# Allegro board 1103400-C000PC024-HI3521DV200-CORE-A01-pcb166.brd (continued)
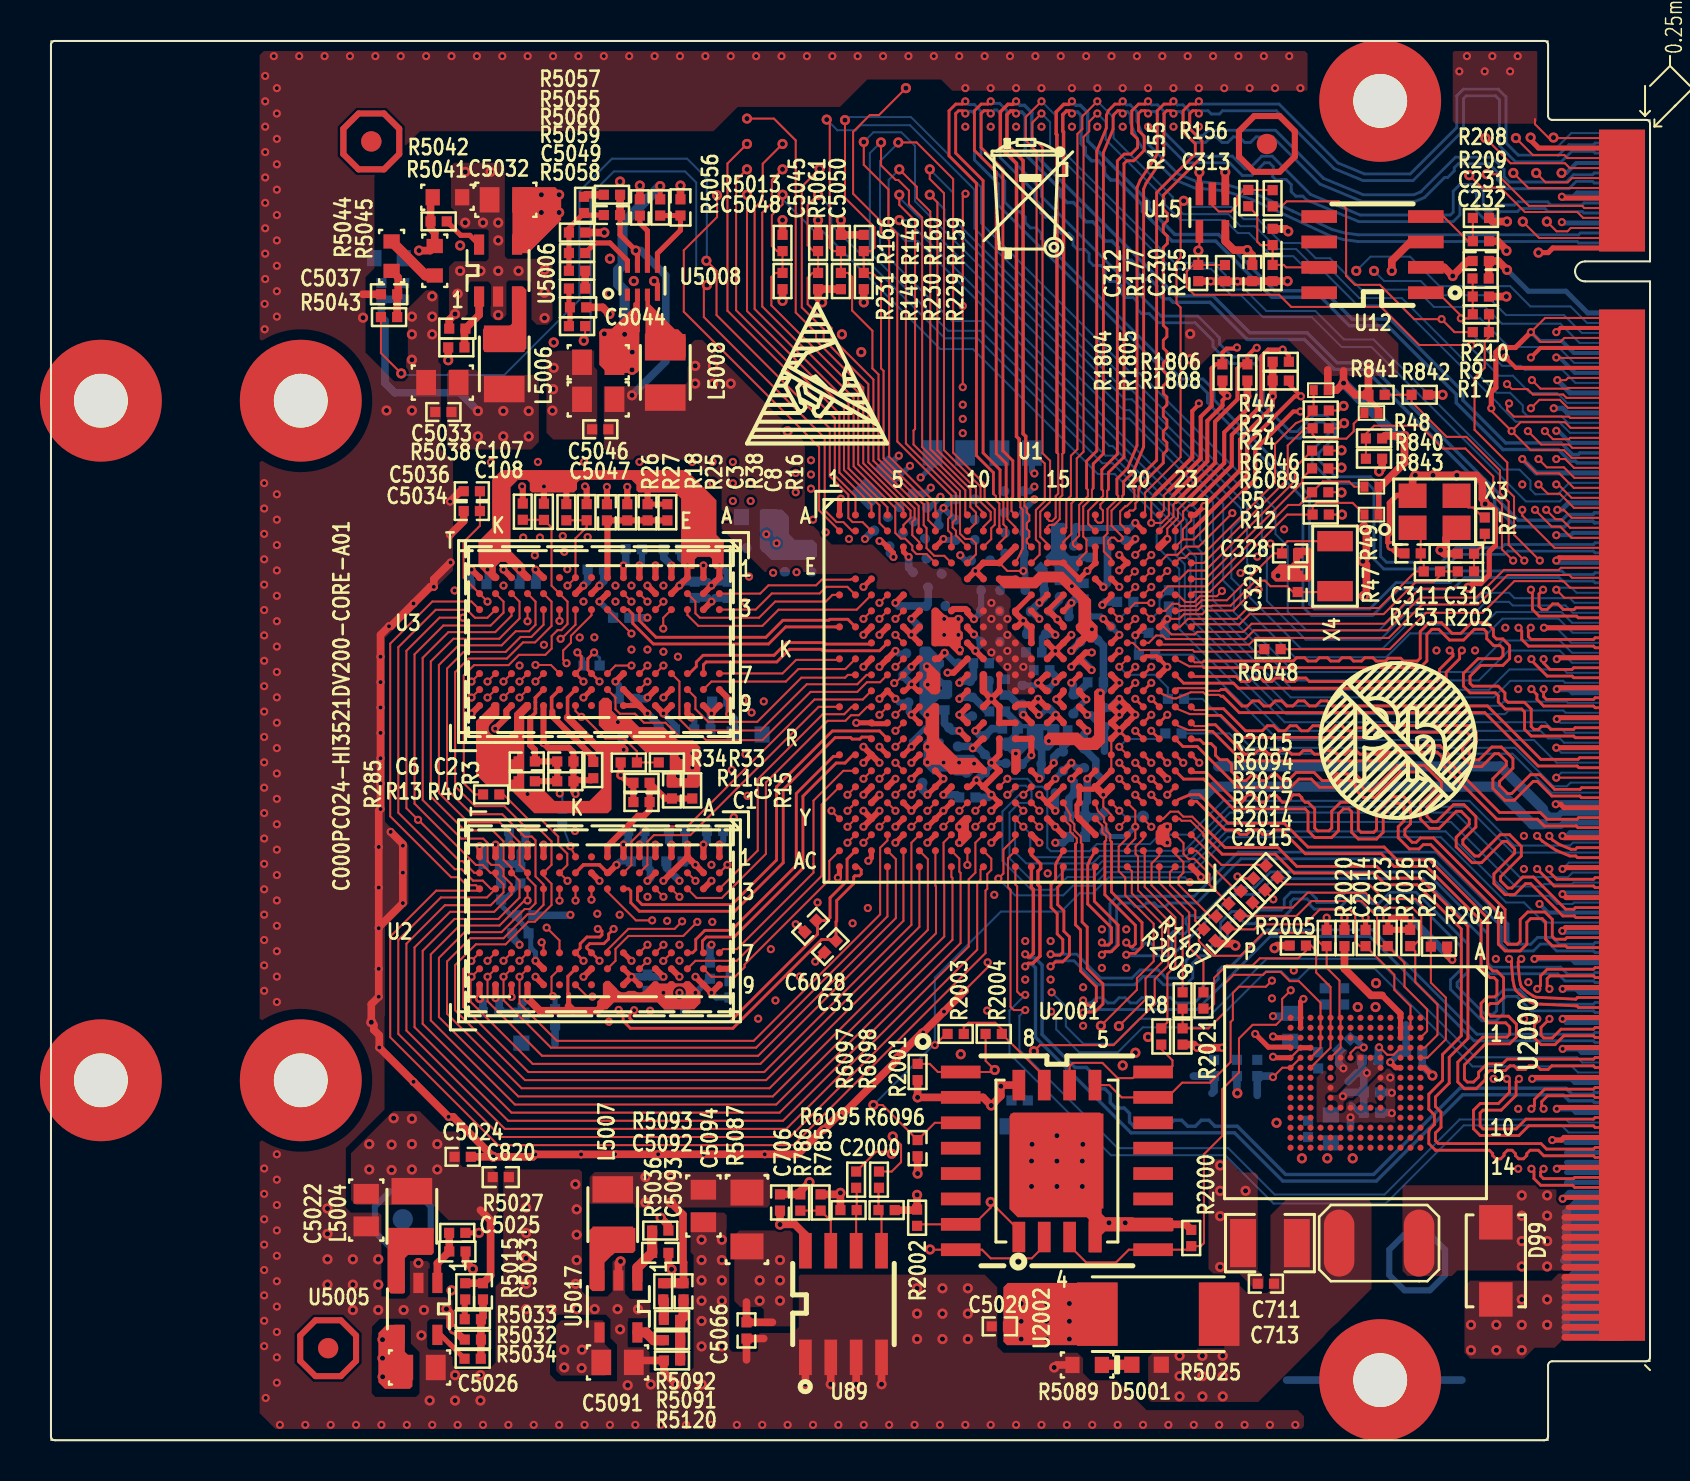
[diagram p0: board, top side]
## Copper pours and planes (outline as drawn; the poured copper is in the pictures) (continued)
GND on GND02: 73.84,0.57 11.23,0.57 10.44,1.36 10.44,69.3 10.64,69.5 74.39,69.5 74.39,66.26 74.6,65.76 75.1,65.55 79.46,65.55 79.5,65.52 79.5,4.53 79.43,4.45 74.62,4.45 74.22,4.05 74.22,0.95
GND on ART03: 10.44,1.36 10.44,69.3 10.63,69.49 62.66,69.49 62.81,69.34 62.81,66.15 62.18,65.52 45.64,65.52 43.08,68.08 36.09,68.08 32.97,64.96 32.97,61.2 33.5,60.66 33.5,57.26 33.45,57.21 28.88,57.21 27.08,55.41 27.08,53.25 26.21,52.38 20.5,52.38 20.12,52 20.12,47.68 22.15,45.65 26.67,45.65 27.03,45.3 27.03,45.06 26.29,44.33 26.29,44.33 26.01,44.05 26.01,43.37 25.91,43.27 25.7,43.27 23.82,41.39 23.67,41.39 23.42,41.13 23.42,40.7 23.62,40.5 23.62,38.59 23.39,38.36 20.73,38.36 19.81,37.45 19.81,33.64 17.8,31.63 17.8,24.88 20.12,22.56 20.12,20.89 25.3,15.71 35.2,15.71 45.92,26.42 45.92,26.88 46.03,26.99 46.03,29.2 47.27,30.44 47.27,30.95 47.14,31.07 46.76,31.07 46.66,31.17 46.66,31.73 46.56,31.84 45.24,31.84 44.98,31.58 44.98,31.45 44.73,31.2 43.71,31.2 42.32,32.6 42.32,41.11 42.03,41.39 42.03,41.41 41.96,41.48 41.96,41.94 42.08,42.07 42.36,42.07 43.23,41.2 43.23,33.94 43.25,33.92 43.25,33.84 43.25,33.83 43.25,33.73 43.68,33.3 46.37,33.3 46.71,33.64 46.71,34.19 46.51,34.38 44.74,34.38 44.39,34.73 44.39,39.32 44.47,39.4 44.47,39.51 44.57,39.6 44.68,39.6 45.21,39.07 45.73,39.07 46.05,39.39 46.05,43.7 46.13,43.77 46.51,43.77 46.63,43.65 46.63,38.74 47.16,38.22 49.49,38.22 49.96,38.69 49.96,39.56 49.94,39.58 49.94,39.84 50.11,40.01 50.14,40 50.56,40.22 50.28,40.61 50.22,40.64 50.19,40.71 50.19,41.31 50.24,41.36 50.57,41.36 51.33,40.6 51.33,40.34 50.67,39.68 50.67,39.26 51,38.94 51.17,38.94 51.29,38.82 51.29,38.58 50.86,38.15 50.79,38.08 50.73,37.93 50.74,37.83 50.75,37.79 50.75,36.07 50.75,36.07 50.75,35.88 50.52,35.65 48.37,35.65 47.89,35.17 47.89,34.11 48.67,33.33 48.67,30.69 48.03,30.06 48.03,21.29 41.76,15.02 41.76,12.15 39.85,10.25 35.79,10.25 35.33,10.7 35.33,13.01 34.65,13.7 29.26,13.7 29.01,13.45 29.01,3.46 29.46,3.01 56.72,3.01 64.82,11.11 64.82,18.17 65.13,18.47 69.21,18.47 69.98,17.71 69.98,17.13 74.07,13.04 74.93,13.04 75.18,13.29 75.18,27.9 75.46,28.18 75.46,31.33 75.18,31.61 75.18,33.46 76.07,34.35 76.07,42.25 74.57,43.75 74.57,45.42 75.18,46.03 75.18,50.89 74.8,51.27 74.83,51.29 74.83,54.67 75.16,55 75.36,55 75.64,55.28 75.64,56.07 73.52,58.19 72.71,58.19 72.59,58.3 72.59,58.81 72.72,58.94 73.41,58.94 75.18,60.71 75.18,65.67 75.41,65.9 79.91,65.9 79.91,9.15 75.41,4.66 75.26,4.66 75.23,4.63 74.5,4.63 73.13,3.26 70.51,3.26 67.82,0.57 11.23,0.57
GND on ART04: 74.5,4.63 73.13,3.26 70.51,3.26 67.82,0.57 11.23,0.57 10.44,1.36 10.44,69.25 10.68,69.49 62.66,69.49 62.81,69.34 62.81,68.97 62.64,68.79 12.24,68.79 11.91,68.46 11.91,58 16.38,53.53 16.38,52.16 16.94,51.6 16.94,43.75 14.93,41.74 14.93,22.34 16.65,20.62 16.65,16.81 16.66,16.8 16.66,16.65 15.34,15.33 15.34,10.45 14.88,9.99 13.31,9.99 12.75,9.43 12.75,1.76 13.13,1.38 59.18,1.38 68.48,10.68 74.83,10.68 75.18,11.03 75.18,36.81 75.25,36.88 75.18,36.94 75.18,50.89 74.7,51.37 74.7,53.32 74.75,53.37 74.7,53.43 74.7,56.45 72.59,58.56 72.59,58.81 72.72,58.94 73.41,58.94 75.18,60.71 75.18,65.29 75.72,65.82 79.15,65.82 79.88,65.08 79.88,9.13 75.41,4.66 75.26,4.66 75.23,4.63
GND on GND05: 73.84,0.57 11.23,0.57 10.44,1.36 10.44,69.3 10.79,69.66 74.19,69.66 74.39,69.45 74.39,66.26 74.6,65.76 75.1,65.55 75.67,65.55 75.67,65.54 79.4,65.54 79.5,65.44 79.5,4.61 79.35,4.45 74.62,4.45 74.19,4.02 74.19,0.92
VCCQ_EMMC on BOTTOM: 61.37,19.01 62.84,19.01 62.92,19.08 63.65,19.08 63.75,19.19 63.75,19.49 65,20.74 65.4,20.74 66.06,20.07 68.27,20.07 68.38,20.18 68.38,21.22 67.23,22.36 65.43,22.36 65.13,22.06 63.42,22.06 63.25,21.88 63.25,21.37 62.41,20.53 61.11,20.53 60.43,19.85 57.12,19.85 57.07,19.8 57.07,19.36 57.75,18.69 61.05,18.69
VCCQ_EMMC on ART03: 65.35,18.68 68.38,18.68 68.5,18.8 68.5,20.63 67.08,22.06 67.08,26.63 66.9,26.81 63.32,26.81 63.32,20.71
VDDIO_DDR on TOP (solid shape): 43.95,38.89 44.49,38.34 44.49,37.47 44.35,37.32 44.06,37.32 43.65,37.73 43.65,37.96 43.81,38.13 43.81,38.41 43.65,38.58 43.65,38.79 43.75,38.89 43.9,38.89
VDDIO_DDR on TOP (solid shape): 44.44,36.79 44.44,35.78 44.44,35.78 44.44,35.08 45.37,34.15 46.28,34.15 46.84,33.59 46.84,33.38 46.78,33.32 46.57,33.32 46.51,33.38 46.01,33.38 45.95,33.32 44.99,33.32 44.51,33.8 44.05,33.8 43.94,33.7 43.77,33.7 43.64,33.83 43.64,34.05 43.79,34.19 43.79,34.41 43.64,34.55 43.64,34.8 43.82,34.98 43.82,35.24 43.67,35.39 43.67,35.62 43.76,35.71 43.76,36.11 43.68,36.19 43.68,36.43 44.12,36.87 44.35,36.87
VDDIO_DDR on TOP (solid shape): 28.07,36.96 28.07,36.5 28.44,36.12 28.99,36.12 29.43,35.68 30.66,35.68 31.01,35.33 31.07,35.33 31.36,35.03 32.13,35.03 32.49,34.67 32.49,32.76 32.38,32.65 30.89,32.65 30.8,32.75 30.8,33.12 31.83,33.12 31.83,33.38 31.27,33.38 31.27,33.12 30.8,33.12 30.8,33.26 30.96,33.42 30.96,34.09 31.7,34.09 31.7,34.42 31.4,34.42 31.4,34.09 30.96,34.09 30.96,34.3 30.87,34.39 29.77,34.39 28.83,35.33 27.85,35.33 27.41,35.77 27.41,36.94 27.62,37.14 27.88,37.14
VDDIO_DDR on TOP (solid shape): 33.29,47.03 33.29,45.3 33.66,44.93 33.66,43.69 33.56,43.59 33.23,43.59 33.08,43.74 33.08,44.1 32.97,44.2 32.34,44.2 32.21,44.07 32.21,43.64 32.16,43.59 31.73,43.59 31.53,43.79 31.53,47.12 31.22,47.42 29.39,47.42 29.29,47.53 29.29,47.81 29.05,48.05 26.77,48.05 26.7,48.05 26.62,48.04 26.45,48.04 26.32,47.91 26.32,47.58 26.17,47.42 24.06,47.42 23.96,47.53 23.96,47.91 23.82,48.05 23.62,48.05 23.58,48.05 23.53,48.05 23.36,48.05 22.99,47.68 22.99,44.5 23.73,43.77 23.73,43.54 24.03,43.23 24.03,43.08 23.96,43 23.7,43 22.76,43.94 22.48,43.94 22.25,43.72 22.25,43.41 22.43,43.23 22.43,43.11 22.33,43 22.1,43 21.39,43.72 21.39,44.97 22.07,45.65 22.07,48.06 22.55,48.54 31.78,48.54
VDDIO_DDR on TOP (solid shape): 24.02,36.85 24.02,36.83 24.02,36.68 24.02,36.62 23.68,36.27 23.68,32.62 23.77,32.52 24.66,32.52 25.2,31.99 26.94,31.99 27.56,32.6 27.56,34.41 27.36,34.6 27.36,34.72 27.49,34.85 28.66,34.85 28.88,34.62 28.88,34.45 28.78,34.34 28.09,34.34 28.04,34.3 28.04,31.56 27.86,31.37 24.19,31.37 22.78,32.77 21.8,32.77 21.52,33.05 23.32,33.05 23.32,33.38 22.96,33.38 22.96,33.05 21.52,33.05 21.26,33.31 21.26,34.07 23.32,34.07 23.32,34.43 22.91,34.43 22.91,34.07 21.26,34.07 21.26,35.98 22.02,36.73 22.02,36.82 22.12,36.93 22.35,36.93 22.43,36.85 22.43,36.51 22.43,36.5 22.43,36.27 22.02,35.87 22,35.85 21.97,35.81 21.94,35.77 21.92,35.73 21.9,35.68 21.9,35.63 21.9,35.58 21.9,35.53 21.92,35.48 21.94,35.44 21.97,35.39 22.01,35.36 22.05,35.33 22.09,35.3 22.14,35.29 22.19,35.28 22.24,35.27 22.26,35.28 22.92,35.28 23.17,35.53 23.17,36.38 23.73,36.93 23.93,36.93
VDDIO_DDR on TOP (solid shape): 28.31,22.6 28.33,22.58 28.36,22.53 28.4,22.5 28.44,22.46 28.49,22.44 28.54,22.42 28.59,22.41 28.65,22.41 28.7,22.41 28.75,22.42 28.8,22.44 28.85,22.47 28.87,22.49 29.21,22.49 29.23,22.47 29.28,22.44 29.33,22.42 29.39,22.41 29.44,22.41 29.5,22.41 29.52,22.41 31.13,22.41 31.13,22.36 31.13,22.32 31.15,22.27 31.17,22.22 31.2,22.18 31.24,22.15 31.28,22.12 31.32,22.1 31.37,22.08 31.42,22.07 31.47,22.07 31.52,22.08 31.57,22.1 31.61,22.12 31.65,22.15 31.69,22.18 31.72,22.22 31.74,22.27 31.75,22.32 31.76,22.36 31.76,22.41 31.75,22.46 31.74,22.51 31.72,22.56 31.69,22.6 31.65,22.63 31.61,22.66 31.57,22.68 31.52,22.7 31.47,22.71 31.42,22.71 31.37,22.7 31.32,22.68 31.28,22.66 31.24,22.63 31.2,22.6 31.17,22.56 31.15,22.51 31.13,22.46 31.13,22.41 29.52,22.41 29.55,22.42 29.6,22.44 29.65,22.47 29.73,22.54 30.16,22.97 30.33,22.97 30.44,22.85 30.84,22.85 30.95,22.96 31.13,22.96 31.24,22.86 31.42,22.86 31.49,22.86 31.64,22.86 31.74,22.96 31.95,22.96 32.31,22.6 32.32,22.58 32.36,22.54 32.39,22.5 32.43,22.47 32.45,22.46 32.5,22.41 32.5,21.87 32.18,21.56 30.68,21.56 30.33,21.91 28.17,21.91 27.82,21.56 27.49,21.56 27.33,21.72 27.33,21.95 27.61,22.24 27.61,22.84 27.76,22.98 27.93,22.98
VDDIO_DDR on BOTTOM (solid shape): 36.91,46.23 36.91,45.36 37.22,45.05 38.12,45.05 38.33,44.85 38.33,44.23 38.15,44.05 36.03,44.05 35.47,44.61 35.47,46.52 35.5,46.56 36.58,46.56
VDDIO_DDR on BOTTOM (solid shape): 44.67,35.02 44.67,34.56 44.94,34.29 46.17,34.29 46.46,34 46.46,33.85 46.12,33.51 46.12,33.34 45.94,33.16 45.7,33.16 45.61,33.25 45.22,33.25 45.02,33.45 44.61,33.45 44.53,33.45 44.39,33.31 44.13,33.31 43.65,33.78 43.65,34.94 43.83,35.12 44.57,35.12
VDDIO_DDR on BOTTOM (solid shape): 44.43,39.24 44.45,39.21 44.48,39.17 44.52,39.14 44.59,39.08 44.61,39.07 44.67,39.01 44.68,38.99 44.68,38.74 44.5,38.56 44.5,38.19 44.66,38.04 44.7,38.04 44.71,38.03 45,38.03 45.09,37.94 45.09,37.22 44.96,37.09 44.43,37.09 44.25,36.9 44.25,36.3 44.02,36.07 43.75,36.07 43.62,36.2 43.62,36.21 43.44,36.39 43.44,37.42 44.58,37.42 44.58,37.7 44.25,37.7 44.25,37.42 43.44,37.42 43.44,39.6 43.55,39.71 43.96,39.71
VDDIO_DDR on ART03 (solid shape): 33.91,45.62 35.92,45.62 35.99,45.55 37.26,45.55 38.19,44.62 40.63,44.62 41.7,43.54 42.98,43.54 44.14,42.38 44.14,34.62 44.63,34.13 46.41,34.13 46.45,34.08 46.45,33.74 46.26,33.55 43.79,33.55 43.51,33.84 43.51,33.84 43.36,33.99 43.36,34.62 43.36,34.64 43.37,34.69 43.36,34.75 43.36,34.77 43.36,36.22 43.36,36.24 43.37,36.29 43.36,36.35 43.36,36.37 43.36,37.74 43.36,37.77 43.37,37.82 43.36,37.87 43.36,37.9 43.36,38.62 43.36,38.64 43.37,38.69 43.36,38.75 43.36,38.77 43.36,40.22 43.36,40.24 43.37,40.29 43.36,40.35 43.36,40.37 43.36,41.02 43.36,41.04 43.37,41.09 43.36,41.15 43.36,41.17 43.36,41.44 42.56,42.24 34.88,42.24 34.85,42.25 34.8,42.27 34.75,42.27 34.69,42.27 34.64,42.27 34.59,42.25 34.57,42.24 33.93,42.24 33.76,42.41 31.5,42.41 31.22,42.69 40.33,42.69 40.33,42.67 40.34,42.62 40.35,42.57 40.38,42.53 40.41,42.49 40.44,42.45 40.48,42.42 40.53,42.4 40.57,42.38 40.62,42.38 40.67,42.38 40.72,42.38 40.77,42.4 40.82,42.42 40.86,42.45 40.89,42.49 40.92,42.53 40.94,42.57 40.96,42.62 40.97,42.67 40.97,42.72 40.96,42.77 40.94,42.82 40.92,42.86 40.89,42.9 40.86,42.94 40.82,42.97 40.77,42.99 40.72,43 40.67,43.01 40.62,43.01 40.57,43 40.53,42.99 40.48,42.97 40.44,42.94 40.41,42.9 40.38,42.86 40.35,42.82 40.34,42.77 40.33,42.72 40.33,42.69 31.22,42.69 30.82,43.09 29.85,43.09 29.8,43.09 29.08,43.09 29.06,43.09 29.01,43.09 28.96,43.08 28.91,43.06 28.86,43.04 28.82,43.01 28.79,42.97 28.76,42.93 28.74,42.88 28.72,42.84 28.71,42.79 28.71,42.74 28.72,42.71 28.72,42.01 28.71,41.98 28.71,41.92 28.72,41.88 28.72,40.44 28.71,40.41 28.71,40.36 28.71,40.31 28.72,40.28 28.72,38.84 28.71,38.81 28.71,38.76 28.71,38.74 28.71,38.57 29.4,37.88 29.4,37.13 29.6,36.93 29.64,36.9 29.68,36.87 29.72,36.85 29.77,36.84 29.82,36.83 29.87,36.83 29.89,36.83 33.88,36.83 34.24,36.47 34.24,36.22 33.72,35.7 33.72,29.83 33.01,29.12 32.96,29.11 32.91,29.09 32.86,29.07 32.82,29.04 32.78,29 32.77,28.97 32.37,28.57 31.56,28.57 31.24,28.25 31.22,28.23 31.19,28.2 31.16,28.18 31.07,28.09 31.07,27.99 30.71,27.64 30.59,27.64 30.32,27.37 30.32,27.28 30.32,27.24 30.31,27.19 30.32,27.14 30.32,27.11 30.32,26.73 29.58,25.98 29.58,24.98 29.56,24.96 29.54,24.92 29.52,24.87 29.51,24.82 29.51,24.76 29.52,24.71 29.54,24.66 29.56,24.62 29.58,24.6 29.58,24.19 29.56,24.17 29.54,24.12 29.52,24.08 29.51,24.03 29.51,23.98 29.51,23.93 29.52,23.88 29.54,23.83 29.57,23.79 29.6,23.75 29.64,23.72 29.68,23.69 29.73,23.67 29.76,23.66 30.33,23.1 30.34,23.06 30.36,23.02 30.39,22.97 30.43,22.94 30.47,22.91 30.52,22.88 30.55,22.87 30.59,22.84 32.41,22.84 33.38,23.8 33.73,23.8 33.74,23.8 34.24,23.8 34.4,23.65 34.4,22.93 33.05,21.58 30.41,21.58 30.17,21.82 29.96,21.82 29.68,21.82 29.09,22.42 31.11,22.42 31.11,22.36 31.12,22.31 31.14,22.26 31.16,22.22 31.19,22.17 31.23,22.14 31.27,22.11 31.32,22.08 31.37,22.07 31.42,22.06 31.47,22.06 31.52,22.07 31.57,22.08 31.62,22.11 31.66,22.14 31.7,22.17 31.73,22.22 31.75,22.26 31.77,22.31 31.77,22.36 31.77,22.42 32.71,22.42 32.71,22.36 32.72,22.31 32.74,22.26 32.76,22.22 32.79,22.17 32.83,22.14 32.87,22.11 32.92,22.08 32.97,22.07 33.02,22.06 33.07,22.06 33.12,22.07 33.17,22.08 33.22,22.11 33.26,22.14 33.3,22.17 33.33,22.22 33.35,22.26 33.37,22.31 33.37,22.36 33.37,22.42 33.37,22.47 33.35,22.52 33.33,22.56 33.3,22.6 33.26,22.64 33.22,22.67 33.17,22.7 33.12,22.71 33.07,22.72 33.02,22.72 32.97,22.71 32.92,22.7 32.87,22.67 32.83,22.64 32.79,22.6 32.76,22.56 32.74,22.52 32.72,22.47 32.71,22.42 31.77,22.42 31.77,22.47 31.75,22.52 31.73,22.56 31.7,22.61 31.66,22.64 31.62,22.67 31.57,22.7 31.52,22.71 31.47,22.72 31.42,22.72 31.37,22.71 31.32,22.7 31.27,22.67 31.23,22.64 31.19,22.61 31.16,22.56 31.14,22.52 31.12,22.47 31.11,22.42 29.09,22.42 28.55,22.95 28.55,23.21 28.73,23.21 28.73,23.16 28.73,23.12 28.75,23.07 28.77,23.02 28.8,22.98 28.84,22.95 28.88,22.92 28.92,22.9 28.97,22.88 29.02,22.87 29.07,22.87 29.12,22.88 29.17,22.9 29.21,22.92 29.25,22.95 29.29,22.98 29.31,23.02 29.34,23.07 29.35,23.12 29.36,23.16 29.36,23.21 29.35,23.26 29.34,23.31 29.31,23.36 29.29,23.4 29.25,23.43 29.21,23.46 29.17,23.48 29.12,23.5 29.07,23.51 29.02,23.51 28.97,23.5 28.92,23.48 28.88,23.46 28.84,23.43 28.8,23.4 28.77,23.36 28.75,23.31 28.73,23.26 28.73,23.21 28.55,23.21 28.55,25.18 28.68,25.31 28.68,26.05 28.69,26.06 28.72,26.1 28.75,26.15 28.77,26.19 28.78,26.24 28.78,26.29 28.78,26.34 28.77,26.39 28.75,26.44 28.72,26.48 28.69,26.52 28.68,26.54 28.68,27.22 29.53,27.22 29.53,27.17 29.53,27.12 29.55,27.07 29.57,27.02 29.6,26.98 29.64,26.95 29.68,26.92 29.72,26.9 29.77,26.88 29.82,26.87 29.87,26.87 29.92,26.88 29.97,26.9 30.01,26.92 30.05,26.95 30.09,26.98 30.12,27.02 30.14,27.07 30.15,27.12 30.16,27.17 30.16,27.22 30.15,27.26 30.14,27.31 30.12,27.36 30.09,27.4 30.05,27.43 30.01,27.46 29.97,27.48 29.92,27.5 29.87,27.51 29.82,27.51 29.77,27.5 29.72,27.48 29.68,27.46 29.64,27.43 29.6,27.4 29.57,27.36 29.55,27.31 29.53,27.26 29.53,27.22 28.68,27.22 28.68,27.67 28.52,27.82 28.52,28.01 29.53,28.01 29.53,27.96 29.53,27.91 29.55,27.87 29.57,27.82 29.6,27.78 29.64,27.75 29.68,27.72 29.72,27.69 29.77,27.68 29.82,27.67 29.87,27.67 29.92,27.68 29.97,27.69 30.01,27.72 30.05,27.75 30.09,27.78 30.12,27.82 30.14,27.87 30.15,27.91 30.16,27.96 30.16,28.01 30.15,28.06 30.14,28.11 30.12,28.16 30.09,28.2 30.05,28.23 30.01,28.26 29.97,28.28 29.92,28.3 29.87,28.31 29.82,28.31 29.77,28.3 29.72,28.28 29.68,28.26 29.64,28.23 29.6,28.2 29.57,28.16 29.55,28.11 29.53,28.06 29.53,28.01 28.52,28.01 28.52,28.34 28.52,28.37 28.14,28.75 28.14,28.97 28.39,29.22 28.39,29.23 28.63,29.47 28.68,29.47 28.73,29.48 28.78,29.5 28.82,29.52 28.87,29.55 28.9,29.59 28.93,29.64 28.95,29.68 28.97,29.73 28.97,29.78 28.97,29.82 29.92,29.82 29.92,29.77 29.93,29.72 29.95,29.68 29.97,29.63 30,29.59 30.03,29.56 30.08,29.53 30.12,29.5 30.17,29.49 30.22,29.48 30.27,29.48 30.32,29.49 30.36,29.5 30.41,29.53 30.45,29.56 30.48,29.59 30.51,29.63 30.54,29.68 30.55,29.72 30.56,29.77 30.56,29.82 30.72,29.82 30.72,29.77 30.73,29.72 30.75,29.68 30.77,29.63 30.8,29.59 30.84,29.56 30.88,29.53 30.92,29.5 30.97,29.49 31.02,29.48 31.07,29.48 31.12,29.49 31.16,29.5 31.21,29.53 31.25,29.56 31.28,29.59 31.31,29.63 31.34,29.68 31.35,29.72 31.36,29.77 31.36,29.82 32.32,29.82 32.32,29.77 32.33,29.72 32.35,29.68 32.37,29.63 32.4,29.59 32.44,29.56 32.48,29.53 32.52,29.5 32.57,29.49 32.62,29.48 32.67,29.48 32.72,29.49 32.76,29.5 32.81,29.53 32.85,29.56 32.88,29.59 32.91,29.63 32.94,29.68 32.95,29.72 32.96,29.77 32.96,29.82 32.95,29.87 32.94,29.92 32.91,29.97 32.88,30.01 32.85,30.04 32.81,30.07 32.76,30.09 32.72,30.11 32.67,30.12 32.62,30.12 32.57,30.11 32.52,30.09 32.48,30.07 32.44,30.04 32.4,30.01 32.37,29.97 32.35,29.92 32.33,29.87 32.32,29.82 31.36,29.82 31.35,29.87 31.34,29.92 31.31,29.97 31.28,30.01 31.25,30.04 31.21,30.07 31.16,30.09 31.12,30.11 31.07,30.12 31.02,30.12 30.97,30.11 30.92,30.09 30.88,30.07 30.84,30.04 30.8,30.01 30.77,29.97 30.75,29.92 30.73,29.87 30.72,29.82 30.56,29.82 30.55,29.87 30.54,29.92 30.51,29.97 30.48,30.01 30.45,30.04 30.41,30.07 30.36,30.09 30.32,30.11 30.27,30.12 30.22,30.12 30.17,30.11 30.12,30.09 30.08,30.07 30.03,30.04 30,30.01 29.97,29.97 29.95,29.92 29.93,29.87 29.92,29.82 28.97,29.82 28.96,29.89 28.94,29.94 28.92,29.98 28.89,30.02 28.85,30.06 28.81,30.09 28.76,30.11 28.71,30.12 28.66,30.13 28.6,30.13 28.55,30.12 28.5,30.1 28.39,30.18 28.39,32.84 28.48,32.92 28.52,32.92 28.58,32.93 28.63,32.94 28.68,32.97 28.72,33 28.76,33.03 28.8,33.07 28.82,33.12 28.84,33.17 28.86,33.22 28.86,33.28 28.86,33.33 28.84,33.38 28.82,33.43 28.8,33.48 28.76,33.52 28.72,33.56 28.68,33.59 28.63,33.61 28.58,33.63 28.52,33.63 28.48,33.63 28.39,33.71 28.39,35.62 28.12,35.89 28.12,36.38 29.52,36.38 29.52,36.33 29.53,36.28 29.55,36.24 29.57,36.19 29.6,36.15 29.63,36.12 29.68,36.09 29.72,36.06 29.77,36.05 29.82,36.04 29.87,36.04 29.92,36.05 29.96,36.06 30.01,36.09 30.05,36.12 30.08,36.15 30.11,36.19 30.14,36.24 30.15,36.28 30.16,36.33 30.16,36.38 32.72,36.38 32.72,36.33 32.73,36.28 32.75,36.24 32.77,36.19 32.8,36.15 32.84,36.12 32.88,36.09 32.92,36.06 32.97,36.05 33.02,36.04 33.07,36.04 33.12,36.05 33.16,36.06 33.21,36.09 33.25,36.12 33.28,36.15 33.31,36.19 33.34,36.24 33.35,36.28 33.36,36.33 33.36,36.38 33.35,36.43 33.34,36.48 33.31,36.52 33.28,36.57 33.25,36.6 33.21,36.63 33.16,36.65 33.12,36.67 33.07,36.68 33.02,36.68 32.97,36.67 32.92,36.65 32.88,36.63 32.84,36.6 32.8,36.57 32.77,36.52 32.75,36.48 32.73,36.43 32.72,36.38 30.16,36.38 30.15,36.43 30.14,36.48 30.11,36.52 30.08,36.57 30.05,36.6 30.01,36.63 29.96,36.65 29.92,36.67 29.87,36.68 29.82,36.68 29.77,36.67 29.72,36.65 29.68,36.63 29.63,36.6 29.6,36.57 29.57,36.52 29.55,36.48 29.53,36.43 29.52,36.38 28.12,36.38 28.12,36.96 27.81,37.27 27.81,38.19 27.86,38.24 27.86,39.28 27.81,39.33 27.81,39.71 27.53,39.99 27.53,40.13 27.5,40.15 27.51,40.18 27.5,40.23 27.49,40.27 27.47,40.32 27.44,40.36 27.41,40.4 27.38,40.43 27.33,40.46 27.29,40.47 27.24,40.49 27.19,40.49 27.17,40.49 26.17,41.48 26.17,41.99 26.32,41.99 26.32,41.94 26.33,41.89 26.35,41.84 26.37,41.79 26.4,41.75 26.44,41.72 26.48,41.69 26.52,41.67 26.57,41.65 26.62,41.64 26.67,41.64 26.72,41.65 26.76,41.67 26.81,41.69 26.85,41.72 26.88,41.75 26.91,41.79 26.94,41.84 26.95,41.89 26.96,41.94 26.96,41.98 27.92,41.98 27.92,41.93 27.93,41.88 27.95,41.84 27.97,41.79 28,41.75 28.03,41.72 28.08,41.69 28.12,41.66 28.17,41.65 28.22,41.64 28.27,41.64 28.32,41.65 28.36,41.66 28.41,41.69 28.45,41.72 28.48,41.75 28.51,41.79 28.54,41.84 28.55,41.88 28.56,41.93 28.56,41.98 28.55,42.03 28.54,42.08 28.51,42.13 28.48,42.17 28.45,42.2 28.41,42.23 28.36,42.25 28.32,42.27 28.27,42.28 28.22,42.28 28.17,42.27 28.12,42.25 28.08,42.23 28.03,42.2 28,42.17 27.97,42.13 27.95,42.08 27.93,42.03 27.92,41.98 26.96,41.98 26.95,42.03 26.94,42.08 26.91,42.13 26.88,42.17 26.85,42.2 26.81,42.23 26.76,42.26 26.72,42.27 26.67,42.28 26.62,42.28 26.57,42.27 26.52,42.26 26.48,42.23 26.44,42.2 26.4,42.17 26.37,42.13 26.35,42.08 26.33,42.03 26.32,41.99 26.17,41.99 26.17,42.78 27.12,42.78 27.12,42.73 27.13,42.68 27.15,42.64 27.17,42.59 27.2,42.55 27.23,42.52 27.28,42.49 27.32,42.46 27.37,42.45 27.42,42.44 27.47,42.44 27.52,42.45 27.56,42.46 27.61,42.49 27.65,42.52 27.68,42.55 27.71,42.59 27.74,42.64 27.75,42.68 27.76,42.73 27.76,42.78 27.92,42.78 27.92,42.73 27.93,42.68 27.95,42.64 27.97,42.59 28,42.55 28.03,42.52 28.08,42.49 28.12,42.46 28.17,42.45 28.22,42.44 28.27,42.44 28.32,42.45 28.36,42.46 28.41,42.49 28.45,42.52 28.48,42.55 28.51,42.59 28.54,42.64 28.55,42.68 28.56,42.73 28.56,42.78 28.55,42.83 28.54,42.88 28.51,42.93 28.48,42.97 28.45,43 28.41,43.03 28.36,43.05 28.32,43.07 28.27,43.08 28.22,43.08 28.17,43.07 28.12,43.05 28.08,43.03 28.03,43 28,42.97 27.97,42.93 27.95,42.88 27.93,42.83 27.92,42.78 27.76,42.78 27.75,42.83 27.74,42.88 27.71,42.93 27.68,42.97 27.65,43 27.61,43.03 27.56,43.05 27.52,43.07 27.47,43.08 27.42,43.08 27.37,43.07 27.32,43.05 27.28,43.03 27.23,43 27.2,42.97 27.17,42.93 27.15,42.88 27.13,42.83 27.12,42.78 26.17,42.78 26.17,43.21 34.59,43.21 34.59,43.18 34.6,43.13 34.62,43.08 34.64,43.03 34.67,42.99 34.71,42.96 34.75,42.93 34.8,42.9 34.85,42.89 34.9,42.88 34.95,42.88 35,42.89 35.05,42.9 35.1,42.93 35.14,42.96 35.18,42.99 35.21,43.03 35.23,43.08 35.25,43.13 35.25,43.18 35.25,43.23 35.25,43.29 35.23,43.33 35.21,43.38 35.19,43.4 35.8,43.4 35.8,43.37 35.81,43.32 35.82,43.27 35.85,43.23 35.88,43.19 35.92,43.15 35.96,43.12 36,43.09 36.05,43.08 36.1,43.07 36.16,43.07 36.21,43.08 36.26,43.09 36.3,43.12 36.35,43.15 36.38,43.19 36.41,43.23 36.44,43.27 36.45,43.32 36.46,43.37 36.46,43.43 36.46,43.46 36.97,43.46 36.97,43.41 36.98,43.35 37,43.3 37.02,43.26 37.05,43.22 37.09,43.18 37.13,43.15 37.17,43.12 37.22,43.11 37.28,43.1 37.33,43.1 37.38,43.11 37.43,43.12 37.47,43.15 37.52,43.18 37.55,43.22 37.58,43.26 37.61,43.3 37.62,43.35 37.63,43.41 37.63,43.46 37.62,43.51 37.61,43.56 37.58,43.6 37.55,43.65 37.52,43.68 37.47,43.71 37.43,43.74 37.38,43.75 37.33,43.76 37.28,43.76 37.22,43.75 37.17,43.74 37.13,43.71 37.09,43.68 37.05,43.65 37.02,43.6 37,43.56 36.98,43.51 36.97,43.46 36.46,43.46 36.45,43.48 36.44,43.53 36.41,43.57 36.38,43.62 36.35,43.65 36.3,43.68 36.26,43.71 36.21,43.72 36.16,43.73 36.1,43.73 36.05,43.72 36,43.71 35.96,43.68 35.92,43.65 35.88,43.62 35.85,43.57 35.82,43.53 35.81,43.48 35.8,43.43 35.8,43.4 35.19,43.4 35.18,43.42 35.14,43.46 35.1,43.49 35.05,43.51 35,43.53 34.95,43.54 34.9,43.54 34.85,43.53 34.8,43.51 34.75,43.49 34.71,43.46 34.67,43.42 34.64,43.38 34.62,43.33 34.6,43.29 34.59,43.23 34.59,43.21 26.17,43.21 26.17,43.77 28.32,43.77 28.32,43.74 28.33,43.69 28.35,43.65 28.37,43.6 28.4,43.56 28.43,43.53 28.48,43.5 28.52,43.47 28.57,43.46 28.62,43.45 28.67,43.45 28.72,43.46 28.76,43.47 28.81,43.5 28.85,43.53 28.88,43.56 28.91,43.6 28.94,43.65 28.95,43.69 28.96,43.74 28.96,43.79 29.92,43.79 29.92,43.74 29.93,43.69 29.95,43.65 29.97,43.6 30,43.56 30.03,43.53 30.08,43.5 30.12,43.47 30.17,43.46 30.22,43.45 30.27,43.45 30.32,43.46 30.36,43.47 30.41,43.5 30.45,43.53 30.48,43.56 30.51,43.6 30.54,43.65 30.55,43.69 30.56,43.74 30.56,43.79 30.72,43.79 30.72,43.74 30.73,43.69 30.75,43.65 30.77,43.6 30.8,43.56 30.84,43.53 30.88,43.5 30.92,43.47 30.97,43.46 31.02,43.45 31.07,43.45 31.12,43.46 31.16,43.47 31.21,43.5 31.25,43.53 31.28,43.56 31.31,43.6 31.34,43.65 31.35,43.69 31.36,43.74 31.36,43.77 32.32,43.77 32.32,43.74 32.33,43.69 32.35,43.65 32.37,43.6 32.4,43.56 32.44,43.53 32.48,43.5 32.52,43.47 32.57,43.46 32.62,43.45 32.67,43.45 32.72,43.46 32.76,43.47 32.81,43.5 32.85,43.53 32.88,43.56 32.91,43.6 32.94,43.65 32.95,43.69 32.96,43.74 32.96,43.79 32.95,43.84 32.94,43.89 32.91,43.94 32.88,43.98 32.85,44.01 32.81,44.04 32.76,44.06 32.72,44.08 32.67,44.09 32.62,44.09 32.57,44.08 32.52,44.06 32.48,44.04 32.44,44.01 32.4,43.98 32.37,43.94 32.35,43.89 32.33,43.84 32.32,43.79 32.32,43.77 31.36,43.77 31.36,43.79 31.35,43.84 31.34,43.89 31.31,43.94 31.28,43.98 31.25,44.01 31.21,44.04 31.16,44.06 31.12,44.08 31.07,44.09 31.02,44.09 30.97,44.08 30.92,44.06 30.88,44.04 30.84,44.01 30.8,43.98 30.77,43.94 30.75,43.89 30.73,43.84 30.72,43.79 30.56,43.79 30.55,43.84 30.54,43.89 30.51,43.94 30.48,43.98 30.45,44.01 30.41,44.04 30.36,44.06 30.32,44.08 30.27,44.09 30.22,44.09 30.17,44.08 30.12,44.06 30.08,44.04 30.03,44.01 30,43.98 29.97,43.94 29.95,43.89 29.93,43.84 29.92,43.79 28.96,43.79 28.95,43.84 28.94,43.89 28.91,43.94 28.88,43.98 28.85,44.01 28.81,44.04 28.76,44.06 28.72,44.08 28.67,44.09 28.62,44.09 28.57,44.08 28.52,44.06 28.48,44.04 28.43,44.01 28.4,43.98 28.37,43.94 28.35,43.89 28.33,43.84 28.32,43.79 28.32,43.77 26.17,43.77 26.17,43.94 26.5,44.26 26.5,44.26 27.86,45.63 33.91,45.63
VDDIO_DDR on TOP: 19.13,11.77 19.89,11.01 22,11.01 22.38,11.39 22.38,13.29 22,13.67 20.6,13.67 20.47,13.8 20.47,15.33 20.34,15.45 19.46,15.45 18.44,16.47 17.12,16.47 15.01,14.36 15.01,12.02 15.26,11.77
VDDIO_DDR on ART04: 26.21,15.88 38.15,15.88 42.87,20.61 42.87,20.58 47.62,25.33 47.62,31.4 47.07,31.96 46.84,31.96 46.66,32.14 46.66,34.02 46.41,34.27 44.75,34.27 44.25,34.78 44.25,43.62 43.79,44.08 43.56,44.08 43.2,44.43 43.2,49.59 42.47,50.33 17.25,50.33 17.25,43.85 15.06,41.66 15.06,22.89 16.92,21.04 16.92,16.6 15.57,15.25 15.57,10.09 20.42,10.09
VIN_3.3V on TOP: 67.87,8.21 70.08,8.21 70.36,8.49 75.97,8.49 76.05,8.57 76.05,11.67 75.95,11.77 75.54,11.77 75.32,11.98 75.32,12.49 75.06,12.76 67.67,12.76 67.61,12.71 67.61,8.47
VIN_3.3V on BOTTOM: 73.05,8.49 75.97,8.49 76.1,8.62 76.1,11.62 75.97,11.74 75.46,11.74 75.45,11.76 75.3,11.76 75.13,11.92 75.13,12.35 74.98,12.51 73.13,12.51 72.92,12.3 72.92,8.62
GPIO1_0 on TOP: 70.26,65.87 74.22,65.87 74.36,66.01 74.36,69.47 74.32,69.5 70.21,69.5 70.13,69.43 70.13,66
GPIO1_0 on BOTTOM: 74.22,69.5 69.74,69.5 69.63,69.4 69.63,68.93 70.34,68.22 74.33,68.22 74.37,68.26 74.37,69.35
GPIO1_0 on ART03: 70.21,67.01 74.35,67.01 74.4,67.06 74.4,69.45 74.35,69.5 69.85,69.5 69.77,69.43 69.77,68.46 70.15,68.08 70.15,67.06
GPIO1_0 on ART04: 74.22,69.55 70.46,69.55 70.15,69.25 70.15,68.33 70.28,68.21 74.29,68.21 74.37,68.28 74.37,69.4
N27133 on TOP (solid shape): 29.97,57.57 29.97,56.83 31.21,55.58 31.37,55.58 31.75,55.2 31.75,54.19 31.62,54.06 29.84,54.06 29.72,54.19 29.72,55.36 29.74,55.38 29.74,57.57 29.92,57.57
N27201 on BOTTOM: 15.49,57.64 16.71,57.64 16.84,57.77 16.84,59.78 16.71,59.9 15.49,59.9 15.37,59.78 15.37,57.77
N27217 on TOP (solid shape): 23.78,57.55 23.78,54.62 23.61,54.44 21.74,54.44 21.61,54.57 21.61,55.58 21.77,55.74 22.86,55.74 22.88,55.76 22.96,55.76 23.06,55.86 23.06,57.69 23.09,57.72 23.62,57.72
N27221 on BOTTOM: 17.5,57.64 18.64,57.64 18.77,57.77 18.77,59.88 18.64,60 17.5,60 17.23,59.74 17.23,58.49 17.37,58.35 17.37,57.77
N28845 on TOP (solid shape): 19.15,10.6 19.15,9.38 19.05,9.28 17.87,9.28 17.71,9.11 17.71,7.41 17.64,7.34 17,7.34 16.84,7.51 16.84,10.55 16.92,10.63 19.13,10.63
N753538 on TOP (solid shape): 29.23,9.48 29.14,9.39 28.22,9.39 28.09,9.26 28.06,9.26 27.69,8.89 27.69,7.55 27.61,7.47 27.09,7.47 26.94,7.61 26.94,10.5 27.07,10.63 29.23,10.63

Small or netless copper shapes (teardrops, artwork), in the pictures only: 2 on TOP

## Text on the board
User.Comments: 2 | 1 | 59 | 60 | U1604 | U1603 | 5 | C311 | C1 | M2 | M1 | J14 | R322 | C914 | C901 | LB1201 | D307 | C1210 | R324 | LB601 | C1213 | LB301 | LB901 | C1216 | R1217 | C609 | C316 | C612 | C910 | C1214 | C307 | C913 | C1201 | C601 | R302 | C613 | R301 | R11 | R12 | R13 | R14 | R15 | R16 | R17 | R18 | R19 | R20 | R1 | R2 | R3 | R4 | R5 | R6 | R7 | R8 | R9 | R10 | R320 | L301 | U301 | R330 | C315 | C314 | R321 | D1208 | R1221 | R326 | C318 | R318 | R433 | R404 | R401 | C435 | R428 | R429 | R419 | R422 | R427 | J4 | C432 | U11 | U12 | R1404 | R1403 | C1409 | C1411 | J15 | LB704 | C720 | R310 | D305 | C911 | C604 | C904 | U8 | C1217 | R1215 | C610 | U1 | C912 | R913 | LB902 | R602 | LB603 | C603 | LB903 | R902 | C903 | R613 | LB602 | C611 | R1115 | R1116 | R1113 | R1114 | R1112 | R1111 | R1109 | R1110 | R1108 | R1107 | R1019 | R1018 | R1021 | R1020 | R1022 | R1023 | R1025 | R1024 | R1026 | R1027 | R719 | R718 | R721 | R720 | R722 | R723 | R725 | R724 | R726 | R727 | R815 | R816 | R813 | R814 | R812 | R811 | R809 | R810 | R808 | R807 | LB1004 | C809 | LB1102 | LB802 | C414 | R402 | R403 | C434 | D1206 | R1218 | R1401 | R1429 | R1430 | C1401 | R1402 | R1428 | R1405 | R328 | C319 | R1331 | R1330 | C1317 | J3 | R529 | R506 | R532 | R504 | R505 | R533 | C9 | U6 | U5 | U4 | C1321 | U3 | OSC602 | OSC902 | OSC901 | OSC601 | R312 | R1117 | D303 | R1014 | C1207 | R1205 | U7 | U2 | C1105 | R715 | R713 | R707 | C726 | R716 | R712 | R708 | C722 | C804 | C806 | R717 | R710 | R709 | C1024 | R833 | R818 | R823 | R1124 | C1104 | C1106 | R1006 | R832 | R819 | R822 | R831 | R820 | R821 | R1015 | R1013 | R1007 | C1026 | C1022 | R1133 | R1118 | R1123 | R1016 | R1012 | R1017 | R1010 | R1009 | R1132 | R1119 | R1131 | R1120 | R1121 | R1008 | R1122 | R1220 | D1204 | C517 | C519 | R530 | R531 | C536 | R1306 | C1324 | R1311 | R1314 | R1305 | R1333 | C1332 | R1332 | R1329 | R1301 | J13 | J2 | D901 | R901 | R315 | C302 | C909 | R908 | C906 | R906 | R606 | C606 | R616 | C614 | C918 | R914 | C915 | R916 | R614 | C617 | R922 | J10 | R608 | C618 | D905 | R622 | R619 | D605 | D607 | R610 | R910 | R919 | D603 | D903 | D907 | R601 | J12 | D601 | J8 | J9 | J11 | J5 | J7 | J6 | C1208 | R1207 | R309 | D301 | R313 | C303 | R1209 | D1202 | J1 | J16 | 1V8 | 3V3 | VCC | J1601 | C312 | C310 | L901 | R1421 | C305 | U901 | C905 | R1201 | L1201 | R1420 | C306 | L601 | R911 | D1201 | C902 | R903 | R1431 | U1201 | R325 | R1641 | C1406 | R1630 | C317 | R1211 | R1203 | R1422 | R1631 | J902 | R1419 | J602 | J301 | R1642 | J1202 | R1432 | C1205 | C1404 | R1423 | C1202 | D306 | R1418 | U302 | R323 | R1433 | R612 | C602 | R1645 | U601 | C1407 | C619 | R1603 | C605 | LB1402 | R1216 | C1204 | C1203 | R603 | R1605 | R611 | C1215 | LB1203 | R1646 | OSC1201 | R414 | R1202 | R1407 | C320 | R418 | R415 | C1020 | R1408 | C1109 | R327 | R420 | R412 | R1410 | C1017 | C811 | C1111 | R426 | R413 | R1409 | R1031 | R1219 | R804 | R1104 | R705 | R411 | C717 | R829 | C431 | R1411 | R1030 | D1207 | R803 | R1103 | R733 | R410 | R830 | R731 | R1412 | R417 | R408 | C732 | R730 | C801 | R1414 | R1005 | R1129 | R421 | R409 | R732 | R802 | R1413 | R1033 | R1130 | R425 | R407 | R729 | R828 | R1416 | C1032 | C1101 | C433 | R406 | R701 | R805 | R1415 | R1032 | R1102 | OSC301 | R711 | R801 | R416 | R1029 | R1128 | R317 | C412 | R714 | R817 | R423 | R1001 | R1105 | C1405 | LB302 | LB404 | R424 | R706 | R1011 | R1101 | R824 | C1211 | C1212 | R1424 | U10 | C308 | C309 | D304 | R1417 | LB1304 | LB1202 | R308 | R1213 | C1320 | R1214 | U9 | C1218 | R1309 | R517 | R1310 | C301 | R510 | R1317 | OSC1202 | R316 | C538 | R519 | R1327 | R518 | R501 | R1222 | R1326 | R521 | R516 | D1205 | C721 | C807 | C1021 | R1324 | C1107 | R520 | R511 | R1325 | R522 | C539 | R1323 | C724 | C805 | R523 | R1322 | R502 | R525 | R1320 | R515 | R524 | R1321 | C1206 | R512 | R526 | R1318 | R1206 | C537 | R527 | R1319 | C1322 | OSC302 | R503 | R1308 | R331 | C916 | R514 | R1312 | LB303 | R513 | R917 | R1316 | C322 | LB503 | C321 | C1326 | D302 | C907 | C607 | C616 | C917 | C608 | C615 | R1307 | C908 | R311 | R905 | R605 | R615 | R915 | R1313 | R607 | R617 | R907 | R909 | R920 | R918 | R921 | R621 | R1315 | C304 | R620 | R618 | R609 | D902 | D904 | D906 | D908 | D608 | R314 | D604 | D606 | D602 | R1210 | D1203 | C1209 | R1208 | D308 | R332 | HIBVTTP2854BAD VER.A
Ref Des/Silkscreen Top: C000PC024-HI3521DV200-CORE-A01
User.10: HIBVTTP2854B VER.B | 1V8 | 3V3 | VCC | 1 | 2 | 59 | 60
User.15: 37 | 10 | 230 | P | K | E | A | 14 | 5 | 1 | AU | C073P02-3559A-MXM2 | A01-20190922
User.17: 10 | 230 | 37 | A | E | K | P | 1 | 14 | 5 | V-CUT | AU | C073P02-3559A-MXM2 | A01-20190922
User.35: FIGURE | SIZE | 8.0 | 10.0 | 106.0 | DRILL CHART: TOP to BOTTOM | ALL UNITS ARE IN MILS | PLATED | QTY | 907 | 330 | 6
